# EAGLE board working (EAGLE 9.6.2), part 23 of 28
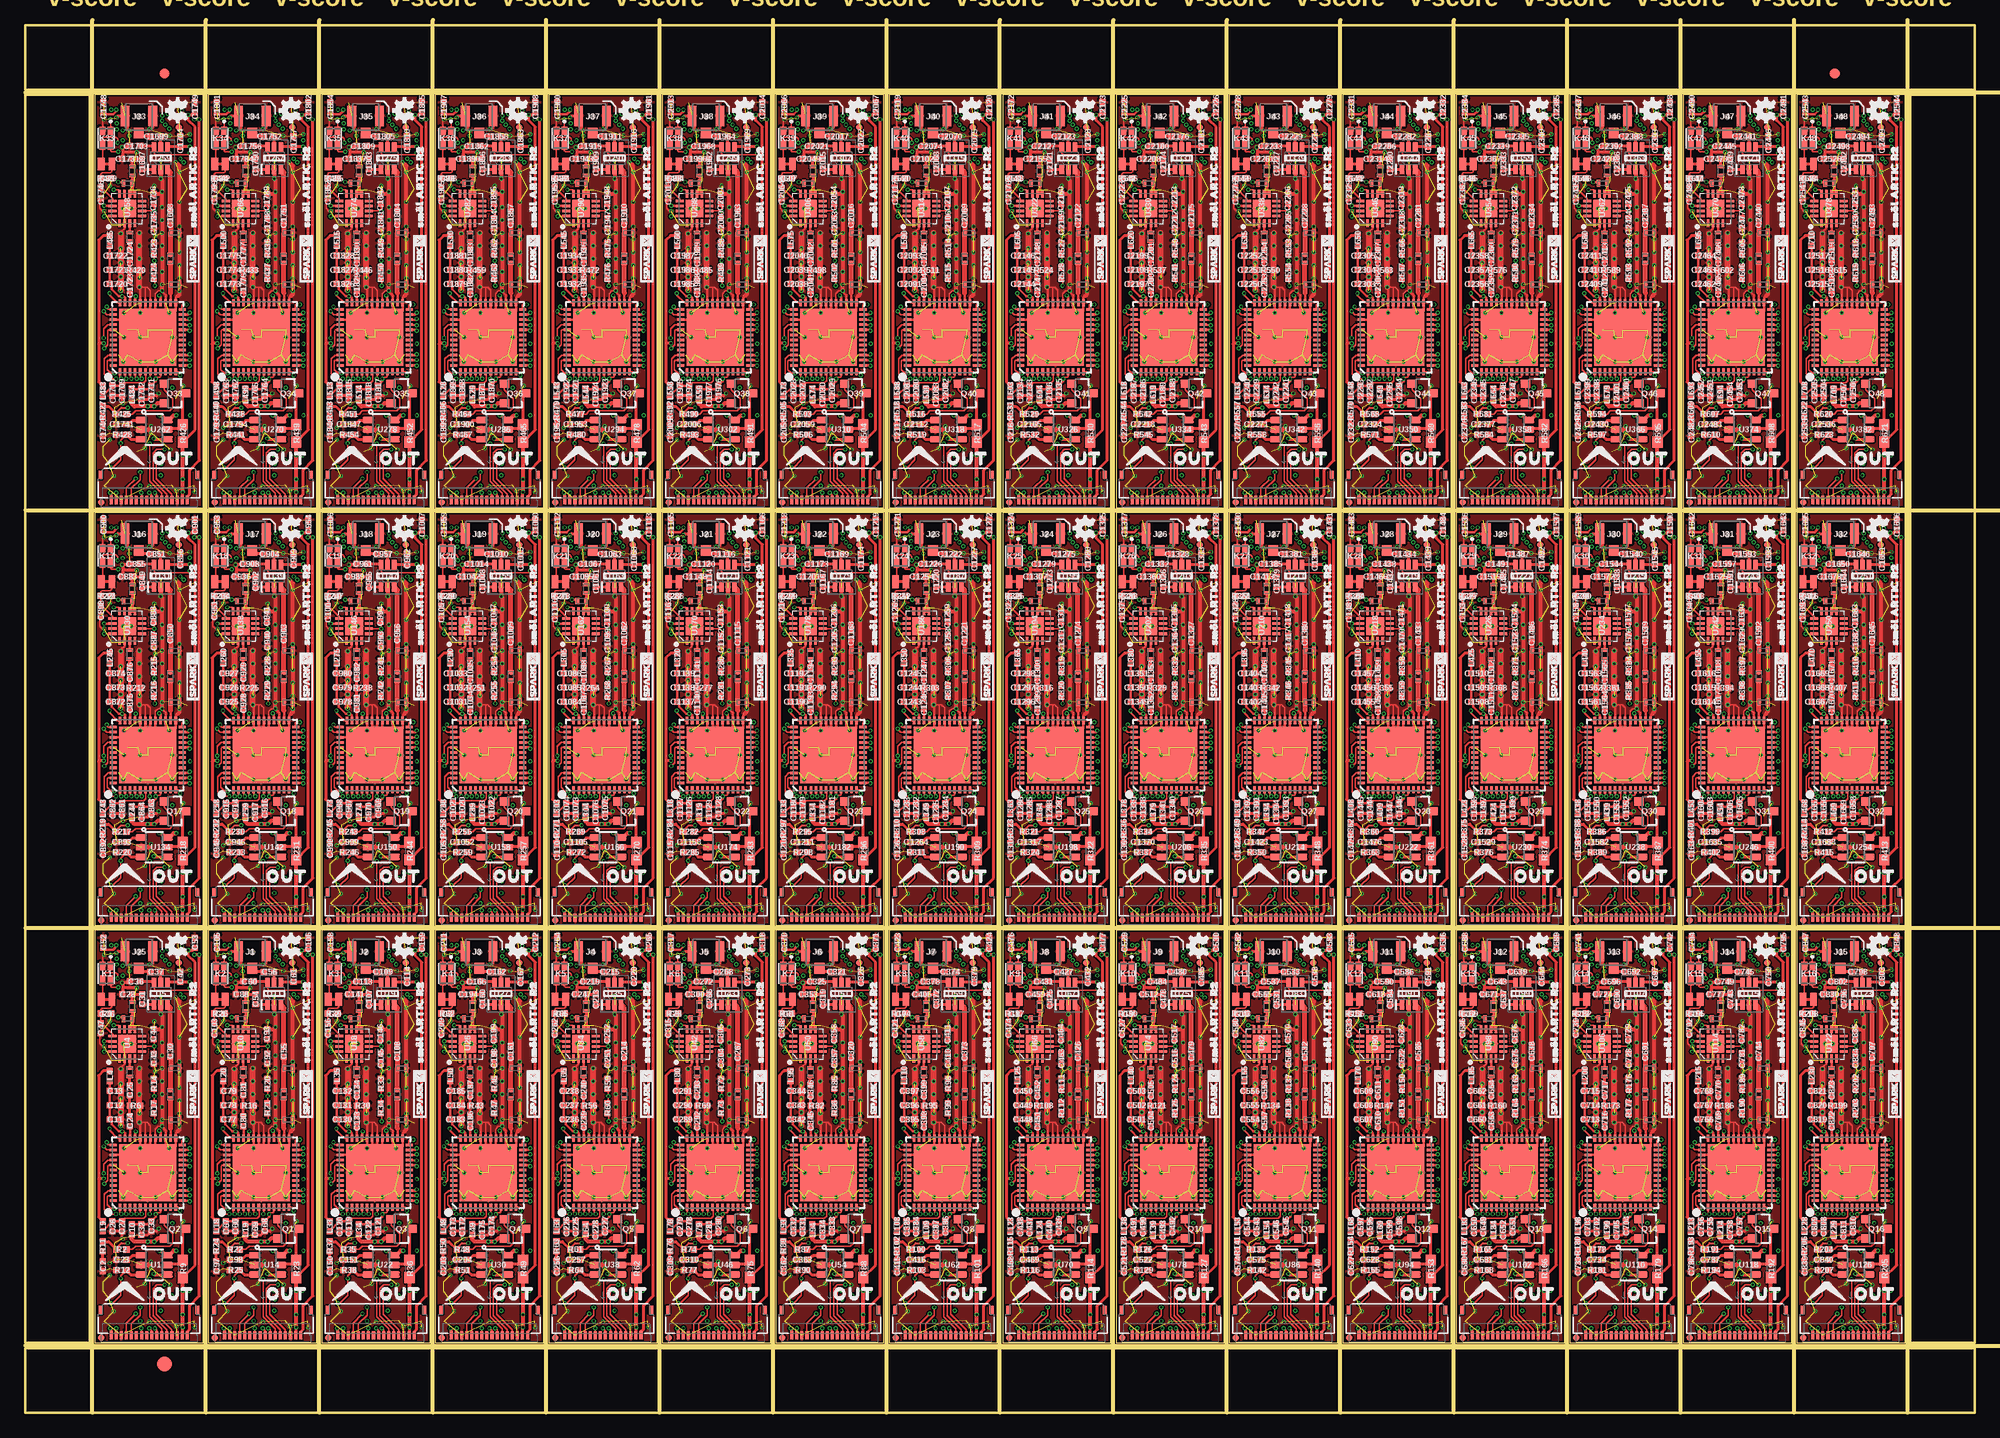
[diagram p0: board, top side]
## Tracks (layer width: path | path; a pad name or v marks a point on that pad's centre or on a via) (continued)
N$1096  (via drill 0.2) (continued)
  Top 0.254: U313.24 93.7,109.06 93.79,109.16 v94.11,109.16
  Bottom 0.305: C2077.1 92.71,109.93 92.71,109.72 93.15,109.28 L586.1 v94.11,109.16 94.11,109.74 C2076.1
N$1097  (via drill 0.2)
  Top 0.254: U313.23 94.17,108.17 94.18,108.17 94.27,108.17 v94.42,108.33
  Bottom 0.305: L587.1 93.73,108.14 93.92,108.33 v94.42,108.33
  Bottom 0.406: C2078.1 C2079.1 L587.1
N$1098
  Top 0.152: U313.6 90.1,102.47 90.1,101.64 89.9,101.44 88.05,101.44 C2080.1 | L588.1 85.85,100.17 86.81,101.12 C2081.1
  Top 0.254: C2081.1 C2080.1
N$1099  (via drill 0.2)
  Top 0.152: v91.06,101.85 91.06,101.92 91.11,101.97 91.45,101.97 91.55,102.06 U313.9
  Top 0.254: L589.1 C2083.1 90.3,100.83 C2082.1 91.06,101.59 v91.06,101.85
  Bottom 0.152: v91.06,101.85 90.3,101.09 R508.1 R509.2
N$1100  (via drill 0.2)
  Top 0.254: U313.35 88.05,109.82 87.88,109.98 v87.76,109.98 87.44,109.98 86.75,110.67 86.75,111 C2091.1 C2092.1 C2093.1 L590.1 | U313.28 91.55,109.92 v91.42,110.05 | U313.33 89.05,109.93 v89.1,109.98
  Bottom 0.254: v91.42,110.05 91.36,109.98 v89.1,109.98 v87.76,109.98
N$1101  (via drill 0.2)
  Top 0.152: U313.36 87.29,109.32 86.52,110.08 v86.52,110.27
  Bottom 0.254: L591.1 86.87,110.62 v86.52,110.27 86.52,110.26 87.05,109.73 C2085.1 87.07,109.6 87.51,109.16 C2084.1
N$1102  (via drill 0.2)
  Top 0.127: U313.41 86.42,106.67 86.34,106.58 86.34,105.18 v85.99,104.84
  Bottom 0.152: v85.99,104.84 85.99,104.26 R510.1
N$1103  (via drill 0.2)
  Top 0.152: U313.40 86.34,107.17 85.94,106.77 v85.94,105.85
  Bottom 0.152: v85.94,105.85 86.73,105.85 C2086.1 C2087.1 L592.1
N$1104  (via drill 0.2)
  Top 0.152: v86.23,108.92 86.23,108.82 86.39,108.67 U313.37
  Bottom 0.152: v86.23,108.92 86.74,108.41 87.25,108.41 87.72,107.94 87.99,107.94 X40.4 89.32,107.6 C2089.1 C2088.1
N$1105
  Bottom 0.152: C2090.1 86,106.78 86.83,107.6 X40.3
N$1106  (via drill 0.2)
  Top 0.152: U313.38 86.24,108.17 85.94,108.47 v85.94,108.51
  Bottom 0.152: v85.94,108.51 85.92,108.48 C2090.2
N$1107
  Top 0.254: U313.34 88.55,110.47 C2094.1
N$1108
  Top 0.254: R511.2 | C2095.1
  Top 0.305: C2094.2 R511.2 | R511.2 C2095.1
N$1109  (via drill 0.2)
  Top 0.254: v85.98,118.87 U314.14
  Bottom 0.254: L594.P$2 85.99,118.89 v85.98,118.87
N$1110
  Bottom 0.254: C2100.1 C2099.1 R513.1 87.27,119.75 L594.P$1
N$1111
  Top 0.305: C2095.2 L593.P$1
N$1112
  Top 0.254: L593.P$2 U314.3
N$1113
  Top 0.254: U314.10 88.77,120.07 U314.9
  Top 0.305: 88.77,121.08 L595.P$2 | 88.77,121.08 88.77,120.07 | L596.P$1 88.77,121.08
N$1114
  Top 0.254: C2101.P$1 92.53,113.25 92.52,113.24 92.53,113.23 | 92.55,111.11 L597.P$2 arc-45 L597.P$2 | U313.26 92.55,110.29 92.53,110.3
  Top 0.508: 92.53,110.3 L597.P$2 | L597.P$2 92.53,113.23
N$1115  (via drill 0.2)
  Top 0.254: U313.20 94.31,106.67 v94.42,106.55
  Bottom 0.152: C2108.1 93.73,104.7 94.73,104.7 94.87,104.84 94.87,106.11 v94.42,106.55
  Bottom 0.254: C2108.1 C2109.1 L599.1
N$1116
  Top 0.305: U318.5 92.3,96.9 93.32,96.9 R517.1 93.73,100.12 Q40.3
N$1117
  Top 0.152: R516.1 88.77,98.36 89.09,98.68 92.46,98.68 92.77,99 92.77,99.89 91.9,100.76 Q40.1
N$1118  (via drill 0.2)
  Top 0.203: R516.2 87.19,98.5 87.69,99 v88.32,99
  Top 0.305: v90.87,95.95 90.93,95.89 U318.4 | R518.1 85.91,99.12 86.43,99.12 R516.2
  Bottom 0.203: v90.87,95.95 90.55,95.95 89.79,96.71 89.79,98.62 89.41,99 v88.32,99
N$1119
  Top 0.305: C2111.1 R518.2
  Top 0.406: R518.2
N$1120
  Top 0.305: U318.1 89.57,97.73 88.77,97.73 88.38,97.34 C2112.1
N$1121
  Top 0.305: C2121.1 102.06,122.5 U323.1
N$1122
  Top 0.508: C2122.1 103.7,122.17 U323.3
N$1123
  Top 0.305: U323.5 C2123.2
N$1124  (via drill 0.2)
  Top 0.254: U321.24 104.87,109.06 104.97,109.16 v105.28,109.16
  Bottom 0.305: C2130.1 103.89,109.93 103.89,109.72 104.32,109.28 L601.1 v105.28,109.16 105.28,109.74 C2129.1
N$1125  (via drill 0.2)
  Top 0.254: U321.23 105.35,108.17 105.44,108.17 v105.6,108.33
  Bottom 0.305: L602.1 104.9,108.14 105.09,108.33 v105.6,108.33
  Bottom 0.406: C2131.1 C2132.1 L602.1
N$1126
  Top 0.152: U321.6 101.27,102.47 101.27,101.64 101.07,101.44 99.22,101.44 C2133.1 | L603.1 97.03,100.17 97.98,101.12 C2134.1
  Top 0.254: C2134.1 C2133.1
N$1127  (via drill 0.2)
  Top 0.152: v102.23,101.85 102.23,101.92 102.28,101.97 102.62,101.97 102.72,102.06 U321.9
  Top 0.254: L604.1 C2136.1 101.47,100.83 C2135.1 102.23,101.59 v102.23,101.85
  Bottom 0.152: v102.23,101.85 101.48,101.09 R521.1 R522.2
N$1128  (via drill 0.2)
  Top 0.254: U321.35 99.22,109.82 99.06,109.98 v98.93,109.98 98.61,109.98 97.92,110.67 97.92,111 C2144.1 C2145.1 C2146.1 L605.1 | U321.28 102.72,109.92 v102.6,110.05 | U321.33 100.22,109.93 v100.28,109.98
  Bottom 0.254: v102.6,110.05 102.53,109.98 v100.28,109.98 v98.93,109.98
N$1129  (via drill 0.2)
  Top 0.152: U321.36 98.46,109.32 97.7,110.08 v97.7,110.27
  Bottom 0.254: L606.1 98.04,110.62 v97.7,110.27 97.7,110.26 98.23,109.73 C2138.1 98.24,109.6 98.69,109.16 C2137.1
N$1130  (via drill 0.2)
  Top 0.127: U321.41 97.6,106.67 97.51,106.58 97.51,105.18 v97.17,104.84
  Bottom 0.152: v97.17,104.84 97.17,104.26 R523.1
N$1131  (via drill 0.2)
  Top 0.152: U321.40 97.52,107.17 97.12,106.77 v97.12,105.85
  Bottom 0.152: v97.12,105.85 97.91,105.85 C2139.1 C2140.1 L607.1
N$1132  (via drill 0.2)
  Top 0.152: v97.41,108.92 97.41,108.82 97.56,108.67 U321.37
  Bottom 0.152: v97.41,108.92 97.92,108.41 98.42,108.41 98.9,107.94 99.17,107.94 X41.4 100.5,107.6 C2142.1 C2141.1
N$1133
  Bottom 0.152: C2143.1 97.18,106.78 98,107.6 X41.3
N$1134  (via drill 0.2)
  Top 0.152: U321.38 97.42,108.17 97.12,108.47 v97.12,108.51
  Bottom 0.152: v97.12,108.51 97.09,108.48 C2143.2
N$1135
  Top 0.254: U321.34 99.72,110.47 C2147.1
N$1136
  Top 0.254: R524.2 | C2148.1
  Top 0.305: C2147.2 R524.2 | R524.2 C2148.1
N$1137  (via drill 0.2)
  Top 0.254: v97.16,118.87 U322.14
  Bottom 0.254: L609.P$2 97.17,118.89 v97.16,118.87
N$1138
  Bottom 0.254: C2153.1 C2152.1 R526.1 98.45,119.75 L609.P$1
N$1139
  Top 0.305: C2148.2 L608.P$1
N$1140
  Top 0.254: L608.P$2 U322.3
N$1141
  Top 0.254: U322.10 99.95,120.07 U322.9
  Top 0.305: 99.95,121.08 L610.P$2 | 99.95,121.08 99.95,120.07 | L611.P$1 99.95,121.08
N$1142
  Top 0.254: C2154.P$1 103.71,113.25 103.7,113.24 103.7,113.23 103.71,113.23 | 103.72,111.11 L612.P$2 arc-45 L612.P$2 | U321.26 103.72,110.29 103.71,110.3
  Top 0.508: 103.71,110.3 L612.P$2 | L612.P$2 103.7,113.23
N$1143  (via drill 0.2)
  Top 0.254: U321.20 105.48,106.67 v105.6,106.55
  Bottom 0.152: C2161.1 104.9,104.7 105.91,104.7 106.05,104.84 106.05,106.11 v105.6,106.55
  Bottom 0.254: C2161.1 C2162.1 L614.1
N$1144
  Top 0.305: U326.5 103.47,96.9 104.5,96.9 R530.1 104.9,100.12 Q41.3
N$1145
  Top 0.152: R529.1 99.95,98.36 100.27,98.68 103.63,98.68 103.95,99 103.95,99.89 103.08,100.76 Q41.1
N$1146  (via drill 0.2)
  Top 0.203: R529.2 98.37,98.5 98.87,99 v99.49,99
  Top 0.305: v102.04,95.95 102.11,95.89 U326.4 | R531.1 97.08,99.12 97.61,99.12 R529.2
  Bottom 0.203: v102.04,95.95 101.73,95.95 100.97,96.71 100.97,98.62 100.58,99 v99.49,99
N$1147
  Top 0.305: C2164.1 R531.2
  Top 0.406: R531.2
N$1148
  Top 0.305: U326.1 100.75,97.73 99.94,97.73 99.56,97.34 C2165.1
N$1149
  Top 0.305: C2174.1 113.24,122.5 U331.1
N$1150
  Top 0.508: C2175.1 114.87,122.17 U331.3
N$1151
  Top 0.305: U331.5 113.92,125.72 C2176.2
N$1152  (via drill 0.2)
  Top 0.254: U329.24 116.05,109.06 116.14,109.16 v116.46,109.16
  Bottom 0.305: C2183.1 115.06,109.93 115.06,109.72 115.5,109.28 L616.1 v116.46,109.16 116.46,109.74 C2182.1
N$1153  (via drill 0.2)
  Top 0.254: U329.23 116.52,108.17 116.53,108.17 116.62,108.17 v116.78,108.33
  Bottom 0.305: L617.1 116.08,108.14 116.27,108.33 v116.78,108.33
  Bottom 0.406: C2184.1 C2185.1 L617.1
N$1154
  Top 0.152: U329.6 112.45,102.47 112.45,101.64 112.25,101.44 110.4,101.44 C2186.1 | L618.1 108.2,100.17 109.16,101.12 C2187.1
  Top 0.254: C2187.1 C2186.1
N$1155  (via drill 0.2)
  Top 0.152: v113.41,101.85 113.41,101.92 113.46,101.97 113.8,101.97 113.9,102.06 U329.9
  Top 0.254: L619.1 C2189.1 112.65,100.83 C2188.1 113.41,101.59 v113.41,101.85
  Bottom 0.152: v113.41,101.85 112.65,101.09 R534.1 R535.2
N$1156  (via drill 0.2)
  Top 0.254: U329.35 110.4,109.82 110.24,109.98 v110.11,109.98 109.79,109.98 109.1,110.67 109.1,111 C2197.1 C2198.1 C2199.1 108.91,114.94 L620.1 | U329.28 113.9,109.92 v113.77,110.05 | U329.33 111.4,109.93 v111.45,109.98
  Bottom 0.254: v113.77,110.05 113.71,109.98 v111.45,109.98 v110.11,109.98
N$1157  (via drill 0.2)
  Top 0.152: U329.36 109.64,109.32 108.88,110.08 v108.88,110.27
  Bottom 0.254: L621.1 109.22,110.62 v108.88,110.27 108.88,110.26 109.4,109.73 C2191.1 109.42,109.6 109.86,109.16 C2190.1
N$1158  (via drill 0.2)
  Top 0.127: U329.41 108.78,106.67 108.69,106.58 108.69,105.18 v108.34,104.84
  Bottom 0.152: v108.34,104.84 108.34,104.26 R536.1
N$1159  (via drill 0.2)
  Top 0.152: U329.40 108.69,107.17 108.3,106.77 v108.3,105.85
  Bottom 0.152: v108.3,105.85 109.09,105.85 C2192.1 C2193.1 L622.1
N$1160  (via drill 0.2)
  Top 0.152: v108.59,108.92 108.59,108.82 108.74,108.67 U329.37
  Bottom 0.152: v108.59,108.92 109.09,108.41 109.6,108.41 110.07,107.94 110.34,107.94 X42.4 111.67,107.6 C2195.1 C2194.1
N$1161
  Bottom 0.152: C2196.1 108.36,106.78 109.18,107.6 X42.3
N$1162  (via drill 0.2)
  Top 0.152: U329.38 108.59,108.17 108.29,108.47 v108.29,108.51
  Bottom 0.152: v108.29,108.51 108.27,108.48 C2196.2
N$1163
  Top 0.254: U329.34 110.9,110.47 C2200.1
N$1164
  Top 0.254: R537.2 | 110.88,113.54 C2201.1
  Top 0.305: C2200.2 R537.2 | R537.2 110.88,113.54
N$1165  (via drill 0.2)
  Top 0.254: v108.33,118.87 U330.14
  Bottom 0.254: L624.P$2 108.34,118.89 v108.33,118.87
N$1166
  Bottom 0.254: C2206.1 C2205.1 R539.1 109.62,119.75 L624.P$1
N$1167
  Top 0.305: C2201.2 L623.P$1
N$1168
  Top 0.254: L623.P$2 U330.3
N$1169
  Top 0.254: U330.10 111.12,120.07 U330.9
  Top 0.305: 111.12,121.08 L625.P$2 | 111.12,121.08 111.12,120.07 | L626.P$1 111.12,121.08
N$1170
  Top 0.254: C2207.P$1 114.88,113.25 114.87,113.24 114.88,113.23 | 114.9,111.11 L627.P$2 arc-45 L627.P$2 | U329.26 114.9,110.29 114.88,110.3
  Top 0.508: 114.88,110.3 L627.P$2 | L627.P$2 114.88,113.23
N$1171  (via drill 0.2)
  Top 0.254: U329.20 116.66,106.67 v116.78,106.55
  Bottom 0.152: C2214.1 116.08,104.7 117.09,104.7 117.22,104.84 117.22,106.11 v116.78,106.55
  Bottom 0.254: C2214.1 C2215.1 L629.1
N$1172
  Top 0.305: U334.5 114.65,96.9 115.67,96.9 R543.1 116.08,100.12 Q42.3
N$1173
  Top 0.152: R542.1 111.12,98.36 111.44,98.68 114.81,98.68 115.12,99 115.12,99.89 114.25,100.76 Q42.1
N$1174  (via drill 0.2)
  Top 0.203: R542.2 109.55,98.5 110.05,99 v110.67,99
  Top 0.305: v113.22,95.95 113.28,95.89 U334.4 | R544.1 108.26,99.12 108.78,99.12 R542.2
  Bottom 0.203: v113.22,95.95 112.9,95.95 112.14,96.71 112.14,98.62 111.76,99 v110.67,99
N$1175
  Top 0.305: C2217.1 R544.2
  Top 0.406: 108.2,98.17 R544.2
N$1176
  Top 0.305: U334.1 111.92,97.73 111.12,97.73 110.74,97.34 C2218.1
N$1177
  Top 0.305: C2227.1 124.42,122.5 U339.1
N$1178
  Top 0.508: C2228.1 126.05,122.17 U339.3
N$1179
  Top 0.305: U339.5 C2229.2
N$1180  (via drill 0.2)
  Top 0.254: U337.24 127.23,109.06 127.32,109.16 v127.64,109.16
  Bottom 0.305: C2236.1 126.24,109.93 126.24,109.72 126.67,109.28 L631.1 v127.64,109.16 127.64,109.74 C2235.1
N$1181  (via drill 0.2)
  Top 0.254: U337.23 127.7,108.17 127.71,108.17 127.8,108.17 v127.95,108.33
  Bottom 0.305: L632.1 127.25,108.14 127.45,108.33 v127.95,108.33
  Bottom 0.406: C2237.1 C2238.1 L632.1
N$1182
  Top 0.152: U337.6 123.63,102.47 123.63,101.64 123.43,101.44 121.57,101.44 C2239.1 | L633.1 119.38,100.17 120.33,101.12 C2240.1
  Top 0.254: C2240.1 C2239.1
N$1183  (via drill 0.2)
  Top 0.152: v124.59,101.85 124.59,101.92 124.64,101.97 124.98,101.97 125.08,102.06 U337.9
  Top 0.254: L634.1 C2242.1 123.83,100.83 C2241.1 124.59,101.59 v124.59,101.85
  Bottom 0.152: v124.59,101.85 123.83,101.09 R547.1 R548.2
N$1184  (via drill 0.2)
  Top 0.254: U337.35 121.58,109.82 121.41,109.98 v121.29,109.98 120.97,109.98 120.28,110.67 120.28,111 C2250.1 C2251.1 C2252.1 L635.1 | U337.28 125.08,109.92 v124.95,110.05 | U337.33 122.58,109.93 v122.63,109.98
  Bottom 0.254: v124.95,110.05 124.89,109.98 v122.63,109.98 v121.29,109.98
N$1185  (via drill 0.2)
  Top 0.152: U337.36 120.81,109.32 120.05,110.08 v120.05,110.27
  Bottom 0.254: L636.1 120.4,110.62 v120.05,110.27 120.05,110.26 120.58,109.73 C2244.1 120.59,109.6 121.04,109.16 C2243.1
N$1186  (via drill 0.2)
  Top 0.127: U337.41 119.95,106.67 119.86,106.58 119.86,105.18 v119.52,104.84
  Bottom 0.152: v119.52,104.84 119.52,104.26 R549.1
N$1187  (via drill 0.2)
  Top 0.152: U337.40 119.87,107.17 119.47,106.77 v119.47,105.85
  Bottom 0.152: v119.47,105.85 120.26,105.85 C2245.1 C2246.1 L637.1
N$1188  (via drill 0.2)
  Top 0.152: v119.76,108.92 119.76,108.82 119.92,108.67 U337.37
  Bottom 0.152: v119.76,108.92 120.27,108.41 120.78,108.41 121.25,107.94 121.52,107.94 X43.4 122.85,107.6 C2248.1 C2247.1
N$1189
  Bottom 0.152: C2249.1 119.53,106.78 120.36,107.6 X43.3
N$1190  (via drill 0.2)
  Top 0.152: U337.38 119.77,108.17 119.47,108.47 v119.47,108.51
  Bottom 0.152: v119.47,108.51 119.44,108.48 C2249.2
N$1191
  Top 0.254: U337.34 122.08,110.47 C2253.1
N$1192
  Top 0.254: 122.05,112.51 R550.2 | C2254.1
  Top 0.305: C2253.2 122.05,112.51 | R550.2 C2254.1
N$1193  (via drill 0.2)
  Top 0.254: v119.51,118.87 U338.14
  Bottom 0.254: L639.P$2 119.52,118.89 v119.51,118.87
N$1194
  Bottom 0.254: C2259.1 C2258.1 R552.1 120.8,119.75 L639.P$1
N$1195
  Top 0.305: C2254.2 L638.P$1
N$1196
  Top 0.254: L638.P$2 U338.3
N$1197
  Top 0.254: U338.10 122.3,120.07 U338.9
  Top 0.305: 122.3,121.08 L640.P$2 | 122.3,121.08 122.3,120.07 | L641.P$1 122.3,121.08
N$1198
  Top 0.254: C2260.P$1 126.06,113.25 126.05,113.24 126.06,113.23 | 126.08,111.11 L642.P$2 arc-45 L642.P$2 | U337.26 126.08,110.29 126.06,110.3
  Top 0.508: 126.06,110.3 L642.P$2 | L642.P$2 126.06,113.23
N$1199  (via drill 0.2)
  Top 0.254: U337.20 127.84,106.67 v127.95,106.55
  Bottom 0.152: C2267.1 127.25,104.7 128.26,104.7 128.4,104.84 128.4,106.11 v127.95,106.55
  Bottom 0.254: C2267.1 C2268.1 L644.1
N$1200
  Top 0.305: U342.5 125.82,96.9 126.85,96.9 R556.1 127.25,100.12 Q43.3
N$1201
  Top 0.152: R555.1 122.3,98.36 122.62,98.68 125.98,98.68 126.3,99 126.3,99.89 125.43,100.76 Q43.1
N$1202  (via drill 0.2)
  Top 0.203: R555.2 120.72,98.5 121.22,99 v121.84,99
  Top 0.305: v124.4,95.95 124.46,95.89 U342.4 | R557.1 119.44,99.12 119.96,99.12 R555.2
  Bottom 0.203: v124.4,95.95 124.08,95.95 123.32,96.71 123.32,98.62 122.94,99 v121.84,99
N$1203
  Top 0.305: C2270.1 R557.2
  Top 0.406: R557.2
N$1204
  Top 0.305: U342.1 123.1,97.73 122.29,97.73 121.91,97.34 C2271.1
N$1205
  Top 0.305: C2280.1 135.59,122.5 U347.1
N$1206
  Top 0.508: C2281.1 137.22,122.17 U347.3
N$1207
  Top 0.305: U347.5 C2282.2
N$1208  (via drill 0.2)
  Top 0.254: U345.24 138.4,109.06 138.49,109.16 v138.81,109.16
  Bottom 0.305: C2289.1 137.41,109.93 137.41,109.72 137.85,109.28 L646.1 v138.81,109.16 138.81,109.74 C2288.1
N$1209  (via drill 0.2)
  Top 0.254: U345.23 138.88,108.17 138.97,108.17 v139.13,108.33
  Bottom 0.305: L647.1 138.43,108.14 138.62,108.33 v139.13,108.33
  Bottom 0.406: C2290.1 C2291.1 L647.1
N$1210
  Top 0.152: U345.6 134.8,102.47 134.8,101.64 134.6,101.44 132.75,101.44 C2292.1 | L648.1 130.56,100.17 131.51,101.12 C2293.1
  Top 0.254: C2293.1 C2292.1
N$1211  (via drill 0.2)
  Top 0.152: v135.76,101.85 135.76,101.92 135.81,101.97 136.15,101.97 136.25,102.06 U345.9
  Top 0.254: L649.1 C2295.1 135,100.83 C2294.1 135.76,101.59 v135.76,101.85
  Bottom 0.152: v135.76,101.85 135,101.09 R560.1 R561.2
N$1212  (via drill 0.2)
  Top 0.254: U345.35 132.75,109.82 132.59,109.98 v132.46,109.98 132.14,109.98 131.45,110.67 131.45,111 C2303.1 C2304.1 C2305.1 L650.1 | U345.28 136.25,109.92 v136.12,110.05 | U345.33 133.75,109.93 v133.81,109.98
  Bottom 0.254: v136.12,110.05 136.06,109.98 v133.81,109.98 v132.46,109.98
N$1213  (via drill 0.2)
  Top 0.152: U345.36 131.99,109.32 131.23,110.08 v131.23,110.27
  Bottom 0.254: L651.1 131.57,110.62 v131.23,110.27 131.23,110.26 131.75,109.73 C2297.1 131.77,109.6 132.22,109.16 C2296.1
N$1214  (via drill 0.2)
  Top 0.127: U345.41 131.13,106.67 131.04,106.58 131.04,105.18 v130.7,104.84
  Bottom 0.152: v130.7,104.84 130.7,104.26 R562.1
N$1215  (via drill 0.2)
  Top 0.152: U345.40 131.04,107.17 130.65,106.77 v130.65,105.85
  Bottom 0.152: v130.65,105.85 131.44,105.85 C2298.1 C2299.1 L652.1
N$1216  (via drill 0.2)
  Top 0.152: v130.94,108.92 130.94,108.82 131.09,108.67 U345.37
  Bottom 0.152: v130.94,108.92 131.44,108.41 131.95,108.41 132.43,107.94 132.69,107.94 X44.4 134.02,107.6 C2301.1 C2300.1
N$1217
  Bottom 0.152: C2302.1 130.71,106.78 131.53,107.6 X44.3
N$1218  (via drill 0.2)
  Top 0.152: U345.38 130.94,108.17 130.65,108.47 v130.65,108.51
  Bottom 0.152: v130.65,108.51 130.62,108.48 C2302.2
N$1219
  Top 0.254: U345.34 133.25,110.47 C2306.1
N$1220
  Top 0.254: R563.2 | 133.23,113.54 C2307.1
  Top 0.305: C2306.2 R563.2 | R563.2 133.23,113.54
N$1221  (via drill 0.2)
  Top 0.254: v130.68,118.87 U346.14
  Bottom 0.254: L654.P$2 130.7,118.89 v130.68,118.87
N$1222
  Bottom 0.254: C2312.1 C2311.1 R565.1 131.97,119.75 L654.P$1
N$1223
  Top 0.305: C2307.2 L653.P$1
N$1224
  Top 0.254: L653.P$2 U346.3
N$1225
  Top 0.254: U346.10 133.48,120.07 U346.9
  Top 0.305: 133.48,121.08 L655.P$2 | 133.48,121.08 133.48,120.07 | L656.P$1 133.48,121.08
N$1226
  Top 0.254: C2313.P$1 137.24,113.25 137.22,113.24 137.23,113.23 137.24,113.23 | 137.25,111.11 L657.P$2 arc-45 L657.P$2 | U345.26 137.25,110.29 137.24,110.3
  Top 0.508: 137.24,110.3 L657.P$2 | L657.P$2 137.23,113.23
N$1227  (via drill 0.2)
  Top 0.254: U345.20 139.01,106.67 v139.13,106.55
  Bottom 0.152: C2320.1 138.43,104.7 139.44,104.7 139.57,104.84 139.57,106.11 v139.13,106.55
  Bottom 0.254: C2320.1 C2321.1 L659.1
N$1228
  Top 0.305: U350.5 137,96.9 138.03,96.9 R569.1 138.43,100.12 Q44.3
N$1229
  Top 0.152: R568.1 133.48,98.36 133.79,98.68 137.16,98.68 137.48,99 137.48,99.89 136.6,100.76 Q44.1
N$1230  (via drill 0.2)
  Top 0.203: R568.2 131.9,98.5 132.4,99 v133.02,99
  Top 0.305: v135.57,95.95 135.63,95.89 U350.4 | R570.1 130.61,99.12 131.14,99.12 R568.2
  Bottom 0.203: v135.57,95.95 135.25,95.95 134.49,96.71 134.49,98.62 134.11,99 v133.02,99
N$1231
  Top 0.305: C2323.1 R570.2
  Top 0.406: R570.2
N$1232
  Top 0.305: U350.1 134.28,97.73 133.47,97.73 133.09,97.34 C2324.1
N$1233
  Top 0.305: C2333.1 146.77,122.5 U355.1
N$1234
  Top 0.508: C2334.1 148.4,122.17 U355.3
N$1235
  Top 0.305: U355.5 C2335.2
N$1236  (via drill 0.2)
  Top 0.254: U353.24 149.58,109.06 149.67,109.16 v149.99,109.16
  Bottom 0.305: C2342.1 148.59,109.93 148.59,109.72 149.03,109.28 L661.1 v149.99,109.16 149.99,109.74 C2341.1
N$1237  (via drill 0.2)
  Top 0.254: U353.23 150.05,108.17 150.06,108.17 150.15,108.17 v150.3,108.33
  Bottom 0.305: L662.1 149.61,108.14 149.8,108.33 v150.3,108.33
  Bottom 0.406: C2343.1 C2344.1 L662.1
N$1238
  Top 0.152: U353.6 145.98,102.47 145.98,101.64 145.78,101.44 143.93,101.44 C2345.1 | L663.1 141.73,100.17 142.69,101.12 C2346.1
  Top 0.254: C2346.1 C2345.1
N$1239  (via drill 0.2)
  Top 0.152: v146.94,101.85 146.94,101.92 146.99,101.97 147.33,101.97 147.43,102.06 U353.9
  Top 0.254: L664.1 C2348.1 146.18,100.83 C2347.1 146.94,101.59 v146.94,101.85
  Bottom 0.152: v146.94,101.85 146.18,101.09 R573.1 R574.2
N$1240  (via drill 0.2)
  Top 0.254: U353.35 143.93,109.82 143.76,109.98 v143.64,109.98 143.32,109.98 142.63,110.67 142.63,111 C2356.1 C2357.1 C2358.1 L665.1 | U353.28 147.43,109.92 v147.3,110.05 | U353.33 144.93,109.93 v144.98,109.98
  Bottom 0.254: v147.3,110.05 147.24,109.98 v144.98,109.98 v143.64,109.98
N$1241  (via drill 0.2)
  Top 0.152: U353.36 143.17,109.32 142.4,110.08 v142.4,110.27
  Bottom 0.254: L666.1 142.75,110.62 v142.4,110.27 142.4,110.26 142.93,109.73 C2350.1 142.95,109.6 143.39,109.16 C2349.1
N$1242  (via drill 0.2)
  Top 0.127: U353.41 142.3,106.67 142.22,106.58 142.22,105.18 v141.87,104.84
  Bottom 0.152: v141.87,104.84 141.87,104.26 R575.1
N$1243  (via drill 0.2)
  Top 0.152: U353.40 142.22,107.17 141.82,106.77 v141.82,105.85
  Bottom 0.152: v141.82,105.85 142.61,105.85 C2351.1 C2352.1 L667.1
N$1244  (via drill 0.2)
  Top 0.152: v142.11,108.92 142.11,108.82 142.27,108.67 U353.37
  Bottom 0.152: v142.11,108.92 142.62,108.41 143.13,108.41 143.6,107.94 143.87,107.94 X45.4 145.2,107.6 C2354.1 C2353.1
N$1245
  Bottom 0.152: C2355.1 141.88,106.78 142.71,107.6 X45.3
N$1246  (via drill 0.2)
  Top 0.152: U353.38 142.12,108.17 141.82,108.47 v141.82,108.51
  Bottom 0.152: v141.82,108.51 141.8,108.48 C2355.2
N$1247
  Top 0.254: U353.34 144.43,110.47 C2359.1
N$1248
  Top 0.254: R576.2 | C2360.1
  Top 0.305: C2359.2 R576.2 | R576.2 C2360.1
N$1249  (via drill 0.2)
  Top 0.254: v141.86,118.87 U354.14
  Bottom 0.254: L669.P$2 141.87,118.89 v141.86,118.87
N$1250
  Bottom 0.254: C2365.1 C2364.1 R578.1 143.15,119.75 L669.P$1
N$1251
  Top 0.305: C2360.2 L668.P$1
N$1252
  Top 0.254: L668.P$2 U354.3
N$1253
  Top 0.254: U354.10 144.65,120.07 U354.9
  Top 0.305: 144.65,121.08 L670.P$2 | 144.65,121.08 144.65,120.07 | L671.P$1 144.65,121.08
N$1254
  Top 0.254: C2366.P$1 148.41,113.25 148.4,113.24 148.41,113.23 | 148.43,111.11 L672.P$2 arc-45 L672.P$2 | U353.26 148.43,110.29 148.41,110.3
  Top 0.508: 148.41,110.3 L672.P$2 | L672.P$2 148.41,113.23
N$1255  (via drill 0.2)
  Top 0.254: U353.20 150.19,106.67 v150.3,106.55
  Bottom 0.152: C2373.1 149.61,104.7 150.61,104.7 150.75,104.84 150.75,106.11 v150.3,106.55
  Bottom 0.254: C2373.1 C2374.1 L674.1
N$1256
  Top 0.305: U358.5 148.18,96.9 149.2,96.9 R582.1 149.61,100.12 Q45.3
N$1257
  Top 0.152: R581.1 144.65,98.36 144.97,98.68 148.34,98.68 148.65,99 148.65,99.89 147.78,100.76 Q45.1
N$1258  (via drill 0.2)
  Top 0.203: R581.2 143.07,98.5 143.57,99 v144.2,99
  Top 0.305: v146.75,95.95 146.81,95.89 U358.4 | R583.1 141.79,99.12 142.31,99.12 R581.2
  Bottom 0.203: v146.75,95.95 146.43,95.95 145.67,96.71 145.67,98.62 145.29,99 v144.2,99
N$1259
  Top 0.305: C2376.1 R583.2
  Top 0.406: R583.2
N$1260
  Top 0.305: U358.1 145.45,97.73 144.65,97.73 144.26,97.34 C2377.1
N$1261
  Top 0.305: C2386.1 157.94,122.5 U363.1
N$1262
  Top 0.508: C2387.1 159.58,122.17 U363.3
N$1263
  Top 0.305: U363.5 C2388.2
N$1264  (via drill 0.2)
  Top 0.254: U361.24 160.75,109.06 160.85,109.16 v161.16,109.16
  Bottom 0.305: C2395.1 159.77,109.93 159.77,109.72 160.2,109.28 L676.1 v161.16,109.16 161.16,109.74 C2394.1
N$1265  (via drill 0.2)
  Top 0.254: U361.23 161.23,108.17 161.32,108.17 v161.48,108.33
  Bottom 0.305: L677.1 160.78,108.14 160.97,108.33 v161.48,108.33
  Bottom 0.406: C2396.1 C2397.1 L677.1
N$1266
  Top 0.152: U361.6 157.15,102.47 157.15,101.64 156.95,101.44 155.1,101.44 C2398.1 | L678.1 152.91,100.17 153.86,101.12 C2399.1
  Top 0.254: C2399.1 C2398.1
N$1267  (via drill 0.2)
  Top 0.152: v158.12,101.85 158.12,101.92 158.16,101.97 158.5,101.97 158.6,102.06 U361.9
  Top 0.254: L679.1 C2401.1 157.35,100.83 C2400.1 158.12,101.59 v158.12,101.85
  Bottom 0.152: v158.12,101.85 157.36,101.09 R586.1 R587.2
N$1268  (via drill 0.2)
  Top 0.254: U361.35 155.1,109.82 154.94,109.98 v154.81,109.98 154.49,109.98 153.81,110.67 153.81,111 C2409.1 C2410.1 C2411.1 L680.1 | U361.28 158.6,109.92 v158.48,110.05 | U361.33 156.1,109.93 v156.16,109.98
  Bottom 0.254: v158.48,110.05 158.41,109.98 v156.16,109.98 v154.81,109.98
N$1269  (via drill 0.2)
  Top 0.152: U361.36 154.34,109.32 153.58,110.08 v153.58,110.27
  Bottom 0.254: L681.1 153.92,110.62 v153.58,110.27 153.58,110.26 154.11,109.73 C2403.1 154.12,109.6 154.57,109.16 C2402.1
N$1270  (via drill 0.2)
  Top 0.127: U361.41 153.48,106.67 153.39,106.58 153.39,105.18 v153.05,104.84
  Bottom 0.152: v153.05,104.84 153.05,104.26 R588.1
N$1271  (via drill 0.2)
  Top 0.152: U361.40 153.4,107.17 153,106.77 v153,105.85
  Bottom 0.152: v153,105.85 153.79,105.85 C2404.1 C2405.1 L682.1
N$1272  (via drill 0.2)
  Top 0.152: v153.29,108.92 153.29,108.82 153.44,108.67 U361.37
  Bottom 0.152: v153.29,108.92 153.8,108.41 154.3,108.41 154.78,107.94 155.05,107.94 X46.4 156.38,107.6 C2407.1 C2406.1
N$1273
  Bottom 0.152: C2408.1 153.06,106.78 153.88,107.6 X46.3
N$1274  (via drill 0.2)
  Top 0.152: U361.38 153.3,108.17 153,108.47 v153,108.51
  Bottom 0.152: v153,108.51 152.97,108.48 C2408.2
N$1275
  Top 0.254: U361.34 155.6,110.47 C2412.1
N$1276
  Top 0.254: R589.2 | C2413.1
  Top 0.305: C2412.2 R589.2 | R589.2 C2413.1
N$1277  (via drill 0.2)
  Top 0.254: v153.03,118.87 U362.14
  Bottom 0.254: L684.P$2 153.05,118.89 v153.03,118.87
N$1278
  Bottom 0.254: C2418.1 C2417.1 R591.1 154.33,119.75 L684.P$1
N$1279
  Top 0.305: C2413.2 L683.P$1
N$1280
  Top 0.254: L683.P$2 U362.3
N$1281
  Top 0.254: U362.10 155.83,120.07 U362.9
  Top 0.305: 155.83,121.08 L685.P$2 | 155.83,121.08 155.83,120.07 | L686.P$1 155.83,121.08
N$1282
  Top 0.254: C2419.P$1 159.59,113.25 159.58,113.24 159.59,113.23 | 159.6,111.11 L687.P$2 arc-45 L687.P$2 | U361.26 159.6,110.29 159.59,110.3